# Altium PCB FMC_Breakout.PcbDoc (part 1 of 3) (continued)
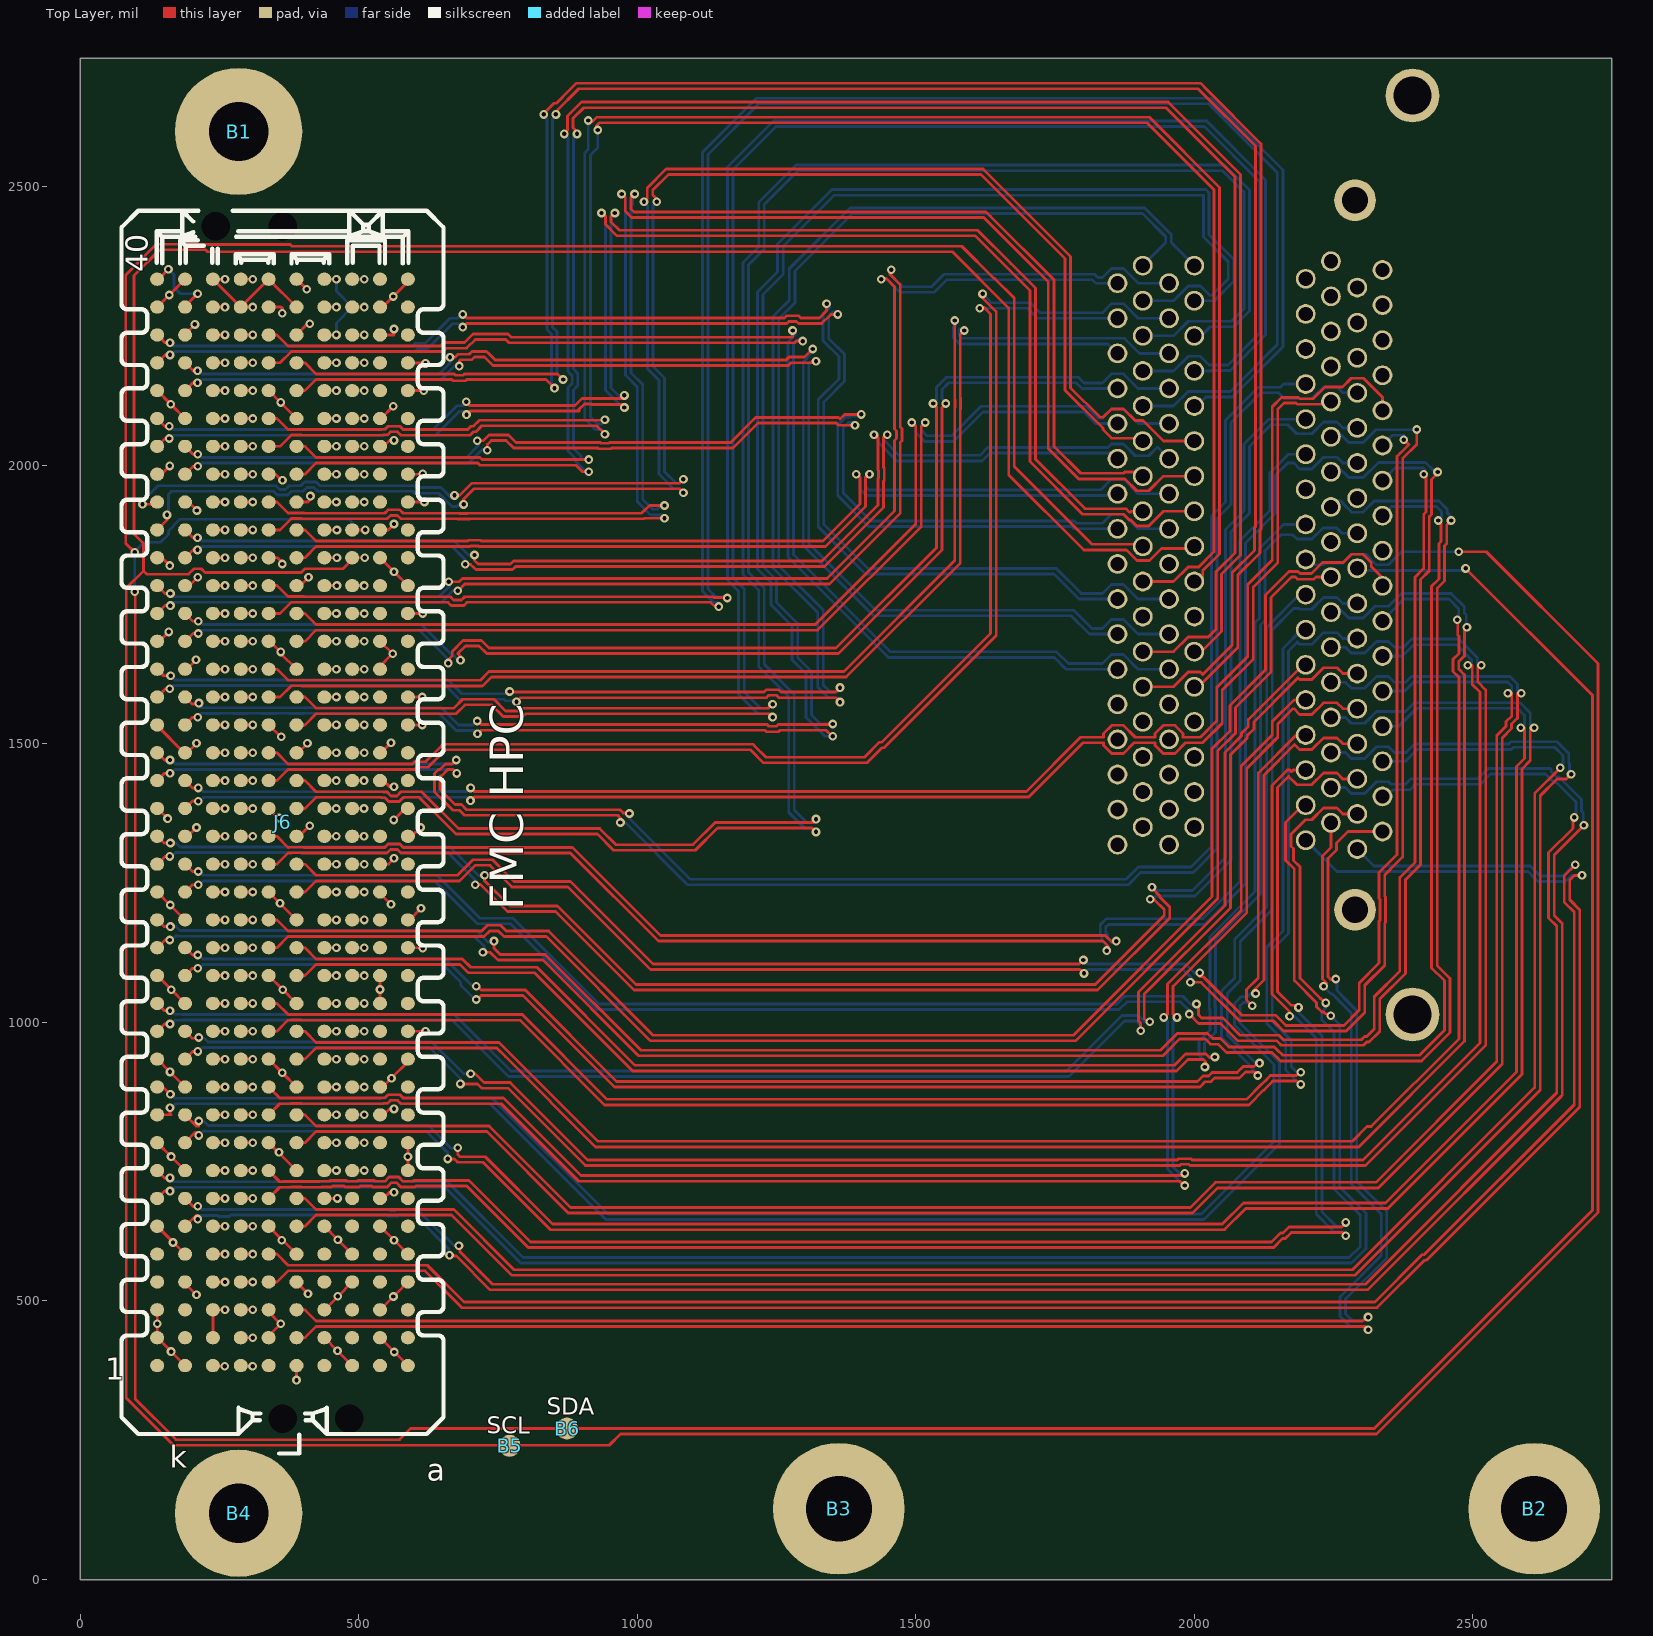
[diagram p0: Top Layer view]
## Footprints (in the part's own frame and the unit in brackets; to place one, negate y for a bottom-side part, rotate by r counter-clockwise, add the part's x,y. Pads: shape width x height; smd on the part's side, far side on the other; paste and mask are expansions set on the pad)
C100 [mm] "1mm Diameter SMD Pad"
  round 1 smd paste-1: 1(0,0)
MOLEX_74337-0015 [mm] "2x68 Positions, Pitch 0.8mm, Very Hight Density Right Angle Dual Stacked VHDCI Receptacle"
  round 1.9 hole 1.2: 69(-16.175,4.79) 71(16.175,4.79)
  round 2.45 hole 1.75: 70(-20.95,7.41) 72(20.95,7.41)
  round 0.9 hole 0.65: L1(-13.005,2.54) L2(-12.205,3.69) L3(-11.405,2.54) L4(-10.605,3.69) L5(-9.805,2.54) L6(-9.005,3.69) L7(-8.205,2.54) L8(-7.405,3.69) L9(-6.605,2.54) L10(-5.805,3.69) L11(-5.005,2.54) L12(-4.205,3.69) L13(-3.405,2.54) L14(-2.605,3.69) L15(-1.805,2.54) L16(-1.005,3.69) L17(-0.205,2.54) L18(0.595,3.69) L19(1.395,2.54) L20(2.195,3.69) L21(2.995,2.54) L22(3.795,3.69) L23(4.595,2.54) L24(5.395,3.69) L25(6.195,2.54) L26(6.995,3.69) L27(7.795,2.54) L28(8.595,3.69) L29(9.395,2.54) L30(10.195,3.69) L31(10.995,2.54) L32(11.795,3.69) L33(12.595,2.54) L34(13.395,3.69) L35(-13.405,4.89) L36(-12.605,6.04) L37(-11.805,4.89) L38(-11.005,6.04) L39(-10.205,4.89) L40(-9.405,6.04) L41(-8.605,4.89) L42(-7.805,6.04) L43(-7.005,4.89) L44(-6.205,6.04) L45(-5.405,4.89) L46(-4.605,6.04) L47(-3.805,4.89) L48(-3.005,6.04) L49(-2.205,4.89) L50(-1.405,6.04) L51(-0.605,4.89) L52(0.195,6.04) L53(0.995,4.89) L54(1.795,6.04) L55(2.595,4.89) L56(3.395,6.04) L57(4.195,4.89) L58(4.995,6.04) L59(5.795,4.89) L60(6.595,6.04) L61(7.395,4.89) L62(8.195,6.04) L63(8.995,4.89) L64(9.795,6.04) L65(10.595,4.89) L66(11.395,6.04) L67(12.195,4.89) L68(12.995,6.04) U1(13.195,-2.54) U2(12.395,-3.69) U3(11.595,-2.54) U4(10.795,-3.69) U5(9.995,-2.54) U6(9.195,-3.69) U7(8.395,-2.54) U8(7.595,-3.69) U9(6.795,-2.54) U10(5.995,-3.69) U11(5.195,-2.54) U12(4.395,-3.69) U13(3.595,-2.54) U14(2.795,-3.69) U15(1.995,-2.54) U16(1.195,-3.69) U17(0.395,-2.54) U18(-0.405,-3.69) U19(-1.205,-2.54) U20(-2.005,-3.69) U21(-2.805,-2.54) U22(-3.605,-3.69) U23(-4.405,-2.54) U24(-5.205,-3.69) U25(-6.005,-2.54) U26(-6.805,-3.69) U27(-7.605,-2.54) U28(-8.405,-3.69) U29(-9.205,-2.54) U30(-10.005,-3.69) U31(-10.805,-2.54) U32(-11.605,-3.69) U33(-12.405,-2.54) U34(-13.205,-3.69) U35(13.195,-4.89) U36(12.395,-6.04) U37(11.595,-4.89) U38(10.795,-6.04) U39(9.995,-4.89) U40(9.195,-6.04) U41(8.395,-4.89) U42(7.595,-6.04) U43(6.795,-4.89) U44(5.995,-6.04) U45(5.195,-4.89) U46(4.395,-6.04) U47(3.595,-4.89) U48(2.795,-6.04) U49(1.995,-4.89) U50(1.195,-6.04) U51(0.395,-4.89) U52(-0.405,-6.04) U53(-1.205,-4.89) U54(-2.005,-6.04) U55(-2.805,-4.89) U56(-3.605,-6.04) U57(-4.405,-4.89) U58(-5.205,-6.04) U59(-6.005,-4.89) U60(-6.805,-6.04) U61(-7.605,-4.89) U62(-8.405,-6.04) U63(-9.205,-4.89) U64(-10.005,-6.04) U65(-10.805,-4.89) U66(-11.605,-6.04) U67(-12.405,-4.89) U68(-13.205,-6.04)
  silkscreen extent -21.5,-6.89 21.5,16.5, body extent -21.5,-6.89 21.5,16.5, height 12.77
MTG300_600#1 [mm] "Plated Through Hole: Hole Dia.=3.0mm Pad Dia.=6.0mm"
  round 5.8 / inner round 3 / far side round 5.8 hole 2.7: 1(0,0)
MTG300_600#2 [mm] "Plated Through Hole: Hole Dia.=3.0mm Pad Dia.=6.0mm"
  round 6 hole 3: 1(0,0)
SAMTEC_ASP-134486-01 [mm] "Connector VITA 57, 400 Female contacts in 10 row abcdefghj"
  round 0.5 hole 1.3 unplated mask+0.4: 1(-27.19,0) 2(27.19,-3.05)
  oval 0.6x0.64 smd paste+0.125: a1(24.765,-5.715) a2(23.495,-5.715) a3(22.225,-5.715) a4(20.955,-5.715) a5(19.685,-5.715) a6(18.415,-5.715) a7(17.145,-5.715) a8(15.875,-5.715) a9(14.605,-5.715) a10(13.335,-5.715) a11(12.065,-5.715) a12(10.795,-5.715) a13(9.525,-5.715) a14(8.255,-5.715) a15(6.985,-5.715) a16(5.715,-5.715) a17(4.445,-5.715) a18(3.175,-5.715) a19(1.905,-5.715) a20(0.635,-5.715) a21(-0.635,-5.715) a22(-1.905,-5.715) a23(-3.175,-5.715) a24(-4.445,-5.715) a25(-5.715,-5.715) a26(-6.985,-5.715) a27(-8.255,-5.715) a28(-9.525,-5.715) a29(-10.795,-5.715) a30(-12.065,-5.715) a31(-13.335,-5.715) a32(-14.605,-5.715) a33(-15.875,-5.715) a34(-17.145,-5.715) a35(-18.415,-5.715) a36(-19.685,-5.715) a37(-20.955,-5.715) a38(-22.225,-5.715) a39(-23.495,-5.715) a40(-24.765,-5.715) b1(24.765,-4.445) b2(23.495,-4.445) b3(22.225,-4.445) b4(20.955,-4.445) b5(19.685,-4.445) b6(18.415,-4.445) b7(17.145,-4.445) b8(15.875,-4.445) b9(14.605,-4.445) b10(13.335,-4.445) b11(12.065,-4.445) b12(10.795,-4.445) b13(9.525,-4.445) b14(8.255,-4.445) b15(6.985,-4.445) b16(5.715,-4.445) b17(4.445,-4.445) b18(3.175,-4.445) b19(1.905,-4.445) b20(0.635,-4.445) b21(-0.635,-4.445) b22(-1.905,-4.445) b23(-3.175,-4.445) b24(-4.445,-4.445) b25(-5.715,-4.445) b26(-6.985,-4.445) b27(-8.255,-4.445) b28(-9.525,-4.445) b29(-10.795,-4.445) b30(-12.065,-4.445) b31(-13.335,-4.445) b32(-14.605,-4.445) b33(-15.875,-4.445) b34(-17.145,-4.445) b35(-18.415,-4.445) b36(-19.685,-4.445) b37(-20.955,-4.445) b38(-22.225,-4.445) b39(-23.495,-4.445) b40(-24.765,-4.445) c1(24.765,-3.175) c2(23.495,-3.175) c3(22.225,-3.175) c4(20.955,-3.175) c5(19.685,-3.175) c6(18.415,-3.175) c7(17.145,-3.175) c8(15.875,-3.175) c9(14.605,-3.175) c10(13.335,-3.175) c11(12.065,-3.175) c12(10.795,-3.175) c13(9.525,-3.175) c14(8.255,-3.175) c15(6.985,-3.175) c16(5.715,-3.175) c17(4.445,-3.175) c18(3.175,-3.175) c19(1.905,-3.175) c20(0.635,-3.175) c21(-0.635,-3.175) c22(-1.905,-3.175) c23(-3.175,-3.175) c24(-4.445,-3.175) c25(-5.715,-3.175) c26(-6.985,-3.175) c27(-8.255,-3.175) c28(-9.525,-3.175) c29(-10.795,-3.175) c30(-12.065,-3.175) c31(-13.335,-3.175) c32(-14.605,-3.175) c33(-15.875,-3.175) c34(-17.145,-3.175) c35(-18.415,-3.175) c36(-19.685,-3.175) c37(-20.955,-3.175) c38(-22.225,-3.175) c39(-23.495,-3.175) c40(-24.765,-3.175) d1(24.765,-1.905) d2(23.495,-1.905) d3(22.225,-1.905) d4(20.955,-1.905) d5(19.685,-1.905) d6(18.415,-1.905) d7(17.145,-1.905) d8(15.875,-1.905) d9(14.605,-1.905) d10(13.335,-1.905) d11(12.065,-1.905) d12(10.795,-1.905) d13(9.525,-1.905) d14(8.255,-1.905) d15(6.985,-1.905) d16(5.715,-1.905) d17(4.445,-1.905) d18(3.175,-1.905) d19(1.905,-1.905) d20(0.635,-1.905) d21(-0.635,-1.905) d22(-1.905,-1.905) d23(-3.175,-1.905) d24(-4.445,-1.905) d25(-5.715,-1.905) d26(-6.985,-1.905) d27(-8.255,-1.905) d28(-9.525,-1.905) d29(-10.795,-1.905) d30(-12.065,-1.905) d31(-13.335,-1.905) d32(-14.605,-1.905) d33(-15.875,-1.905) d34(-17.145,-1.905) d35(-18.415,-1.905) d36(-19.685,-1.905) d37(-20.955,-1.905) d38(-22.225,-1.905) d39(-23.495,-1.905) d40(-24.765,-1.905) e1(24.765,-0.635) e2(23.495,-0.635) e3(22.225,-0.635) e4(20.955,-0.635) e5(19.685,-0.635) e6(18.415,-0.635) e7(17.145,-0.635) e8(15.875,-0.635) e9(14.605,-0.635) e10(13.335,-0.635) e11(12.065,-0.635) e12(10.795,-0.635) e13(9.525,-0.635) e14(8.255,-0.635) e15(6.985,-0.635) e16(5.715,-0.635) e17(4.445,-0.635) e18(3.175,-0.635) e19(1.905,-0.635) e20(0.635,-0.635) e21(-0.635,-0.635) e22(-1.905,-0.635) e23(-3.175,-0.635) e24(-4.445,-0.635) e25(-5.715,-0.635) e26(-6.985,-0.635) e27(-8.255,-0.635) e28(-9.525,-0.635) e29(-10.795,-0.635) e30(-12.065,-0.635) e31(-13.335,-0.635) e32(-14.605,-0.635) e33(-15.875,-0.635) e34(-17.145,-0.635) e35(-18.415,-0.635) e36(-19.685,-0.635) e37(-20.955,-0.635) e38(-22.225,-0.635) e39(-23.495,-0.635) e40(-24.765,-0.635) f1(24.765,0.635) f2(23.495,0.635) f3(22.225,0.635) f4(20.955,0.635) f5(19.685,0.635) f6(18.415,0.635) f7(17.145,0.635) f8(15.875,0.635) f9(14.605,0.635) f10(13.335,0.635) f11(12.065,0.635) f12(10.795,0.635) f13(9.525,0.635) f14(8.255,0.635) f15(6.985,0.635) f16(5.715,0.635) f17(4.445,0.635) f18(3.175,0.635) f19(1.905,0.635) f20(0.635,0.635) f21(-0.635,0.635) f22(-1.905,0.635) f23(-3.175,0.635) f24(-4.445,0.635) f25(-5.715,0.635) f26(-6.985,0.635) f27(-8.255,0.635) f28(-9.525,0.635) f29(-10.795,0.635) f30(-12.065,0.635) f31(-13.335,0.635) f32(-14.605,0.635) f33(-15.875,0.635) f34(-17.145,0.635) f35(-18.415,0.635) f36(-19.685,0.635) f37(-20.955,0.635) f38(-22.225,0.635) f39(-23.495,0.635) f40(-24.765,0.635) g1(24.765,1.905) g2(23.495,1.905) g3(22.225,1.905) g4(20.955,1.905) g5(19.685,1.905) g6(18.415,1.905) g7(17.145,1.905) g8(15.875,1.905) g9(14.605,1.905) g10(13.335,1.905) g11(12.065,1.905) g12(10.795,1.905) g13(9.525,1.905) g14(8.255,1.905) g15(6.985,1.905) g16(5.715,1.905) g17(4.445,1.905) g18(3.175,1.905) g19(1.905,1.905) g20(0.635,1.905) g21(-0.635,1.905) g22(-1.905,1.905) g23(-3.175,1.905) g24(-4.445,1.905) g25(-5.715,1.905) g26(-6.985,1.905) g27(-8.255,1.905) g28(-9.525,1.905) g29(-10.795,1.905) g30(-12.065,1.905) g31(-13.335,1.905) g32(-14.605,1.905) g33(-15.875,1.905) g34(-17.145,1.905) g35(-18.415,1.905) g36(-19.685,1.905) g37(-20.955,1.905) g38(-22.225,1.905) g39(-23.495,1.905) g40(-24.765,1.905) h1(24.765,3.175) h2(23.495,3.175) h3(22.225,3.175) h4(20.955,3.175) h5(19.685,3.175) h6(18.415,3.175) h7(17.145,3.175) h8(15.875,3.175) h9(14.605,3.175) h10(13.335,3.175) h11(12.065,3.175) h12(10.795,3.175) h13(9.525,3.175) h14(8.255,3.175) h15(6.985,3.175) h16(5.715,3.175) h17(4.445,3.175) h18(3.175,3.175) h19(1.905,3.175) h20(0.635,3.175) h21(-0.635,3.175) h22(-1.905,3.175) h23(-3.175,3.175) h24(-4.445,3.175) h25(-5.715,3.175) h26(-6.985,3.175) h27(-8.255,3.175) h28(-9.525,3.175) h29(-10.795,3.175) h30(-12.065,3.175) h31(-13.335,3.175) h32(-14.605,3.175) h33(-15.875,3.175) h34(-17.145,3.175) h35(-18.415,3.175) h36(-19.685,3.175) h37(-20.955,3.175) h38(-22.225,3.175) h39(-23.495,3.175) h40(-24.765,3.175) j1(24.765,4.445) j2(23.495,4.445) j3(22.225,4.445) j4(20.955,4.445) j5(19.685,4.445) j6(18.415,4.445) j7(17.145,4.445) j8(15.875,4.445) j9(14.605,4.445) j10(13.335,4.445) j11(12.065,4.445) j12(10.795,4.445) j13(9.525,4.445) j14(8.255,4.445) j15(6.985,4.445) j16(5.715,4.445) j17(4.445,4.445) j18(3.175,4.445) j19(1.905,4.445) j20(0.635,4.445) j21(-0.635,4.445) j22(-1.905,4.445) j23(-3.175,4.445) j24(-4.445,4.445) j25(-5.715,4.445) j26(-6.985,4.445) j27(-8.255,4.445) j28(-9.525,4.445) j29(-10.795,4.445) j30(-12.065,4.445) j31(-13.335,4.445) j32(-14.605,4.445) j33(-15.875,4.445) j34(-17.145,4.445) j35(-18.415,4.445) j36(-19.685,4.445) j37(-20.955,4.445) j38(-22.225,4.445) j39(-23.495,4.445) j40(-24.765,4.445) k1(24.765,5.715) k2(23.495,5.715) k3(22.225,5.715) k4(20.955,5.715) k5(19.685,5.715) k6(18.415,5.715) k7(17.145,5.715) k8(15.875,5.715) k9(14.605,5.715) k10(13.335,5.715) k11(12.065,5.715) k12(10.795,5.715) k13(9.525,5.715) k14(8.255,5.715) k15(6.985,5.715) k16(5.715,5.715) k17(4.445,5.715) k18(3.175,5.715) k19(1.905,5.715) k20(0.635,5.715) k21(-0.635,5.715) k22(-1.905,5.715) k23(-3.175,5.715) k24(-4.445,5.715) k25(-5.715,5.715) k26(-6.985,5.715) k27(-8.255,5.715) k28(-9.525,5.715) k29(-10.795,5.715) k30(-12.065,5.715) k31(-13.335,5.715) k32(-14.605,5.715) k33(-15.875,5.715) k34(-17.145,5.715) k35(-18.415,5.715) k36(-19.685,5.715) k37(-20.955,5.715) k38(-22.225,5.715) k39(-23.495,5.715) k40(-24.765,5.715)
  silkscreen extent -28.73,-6.62 28.73,6.62, body extent -28.73,-6.62 28.73,6.62, height 6.55
SAMTEC_ASP-134488-01 [mm] "Connector VITA 57, 400 Male contacts in 10 row abcdefghj"
  round 1 hole 1.3 unplated mask+0.3: 1(-27.191,-3.048) 2(27.191,0)
  oval 0.6x0.64 smd: a1(24.765,5.715) a2(23.495,5.715) a3(22.225,5.715) a4(20.955,5.715) a5(19.685,5.715) a6(18.415,5.715) a7(17.145,5.715) a8(15.875,5.715) a9(14.605,5.715) a10(13.335,5.715) a11(12.065,5.715) a12(10.795,5.715) a13(9.525,5.715) a14(8.255,5.715) a15(6.985,5.715) a16(5.715,5.715) a17(4.445,5.715) a18(3.175,5.715) a19(1.905,5.715) a20(0.635,5.715) a21(-0.635,5.715) a22(-1.905,5.715) a23(-3.175,5.715) a24(-4.445,5.715) a25(-5.715,5.715) a26(-6.985,5.715) a27(-8.255,5.715) a28(-9.525,5.715) a29(-10.795,5.715) a30(-12.065,5.715) a31(-13.335,5.715) a32(-14.605,5.715) a33(-15.875,5.715) a34(-17.145,5.715) a35(-18.415,5.715) a36(-19.685,5.715) a37(-20.955,5.715) a38(-22.225,5.715) a39(-23.495,5.715) a40(-24.765,5.715) b1(24.765,4.445) b2(23.495,4.445) b3(22.225,4.445) b4(20.955,4.445) b5(19.685,4.445) b6(18.415,4.445) b7(17.145,4.445) b8(15.875,4.445) b9(14.605,4.445) b10(13.335,4.445) b11(12.065,4.445) b12(10.795,4.445) b13(9.525,4.445) b14(8.255,4.445) b15(6.985,4.445) b16(5.715,4.445) b17(4.445,4.445) b18(3.175,4.445) b19(1.905,4.445) b20(0.635,4.445) b21(-0.635,4.445) b22(-1.905,4.445) b23(-3.175,4.445) b24(-4.445,4.445) b25(-5.715,4.445) b26(-6.985,4.445) b27(-8.255,4.445) b28(-9.525,4.445) b29(-10.795,4.445) b30(-12.065,4.445) b31(-13.335,4.445) b32(-14.605,4.445) b33(-15.875,4.445) b34(-17.145,4.445) b35(-18.415,4.445) b36(-19.685,4.445) b37(-20.955,4.445) b38(-22.225,4.445) b39(-23.495,4.445) b40(-24.765,4.445) c1(24.765,3.175) c2(23.495,3.175) c3(22.225,3.175) c4(20.955,3.175) c5(19.685,3.175) c6(18.415,3.175) c7(17.145,3.175) c8(15.875,3.175) c9(14.605,3.175) c10(13.335,3.175) c11(12.065,3.175) c12(10.795,3.175) c13(9.525,3.175) c14(8.255,3.175) c15(6.985,3.175) c16(5.715,3.175) c17(4.445,3.175) c18(3.175,3.175) c19(1.905,3.175) c20(0.635,3.175) c21(-0.635,3.175) c22(-1.905,3.175) c23(-3.175,3.175) c24(-4.445,3.175) c25(-5.715,3.175) c26(-6.985,3.175) c27(-8.255,3.175) c28(-9.525,3.175) c29(-10.795,3.175) c30(-12.065,3.175) c31(-13.335,3.175) c32(-14.605,3.175) c33(-15.875,3.175) c34(-17.145,3.175) c35(-18.415,3.175) c36(-19.685,3.175) c37(-20.955,3.175) c38(-22.225,3.175) c39(-23.495,3.175) c40(-24.765,3.175) d1(24.765,1.905) d2(23.495,1.905) d3(22.225,1.905) d4(20.955,1.905) d5(19.685,1.905) d6(18.415,1.905) d7(17.145,1.905) d8(15.875,1.905) d9(14.605,1.905) d10(13.335,1.905) d11(12.065,1.905) d12(10.795,1.905) d13(9.525,1.905) d14(8.255,1.905) d15(6.985,1.905) d16(5.715,1.905) d17(4.445,1.905) d18(3.175,1.905) d19(1.905,1.905) d20(0.635,1.905) d21(-0.635,1.905) d22(-1.905,1.905) d23(-3.175,1.905) d24(-4.445,1.905) d25(-5.715,1.905) d26(-6.985,1.905) d27(-8.255,1.905) d28(-9.525,1.905) d29(-10.795,1.905) d30(-12.065,1.905) d31(-13.335,1.905) d32(-14.605,1.905) d33(-15.875,1.905) d34(-17.145,1.905) d35(-18.415,1.905) d36(-19.685,1.905) d37(-20.955,1.905) d38(-22.225,1.905) d39(-23.495,1.905) d40(-24.765,1.905) e1(24.765,0.635) e2(23.495,0.635) e3(22.225,0.635) e4(20.955,0.635) e5(19.685,0.635) e6(18.415,0.635) e7(17.145,0.635) e8(15.875,0.635) e9(14.605,0.635) e10(13.335,0.635) e11(12.065,0.635) e12(10.795,0.635) e13(9.525,0.635) e14(8.255,0.635) e15(6.985,0.635) e16(5.715,0.635) e17(4.445,0.635) e18(3.175,0.635) e19(1.905,0.635) e20(0.635,0.635) e21(-0.635,0.635) e22(-1.905,0.635) e23(-3.175,0.635) e24(-4.445,0.635) e25(-5.715,0.635) e26(-6.985,0.635) e27(-8.255,0.635) e28(-9.525,0.635) e29(-10.795,0.635) e30(-12.065,0.635) e31(-13.335,0.635) e32(-14.605,0.635) e33(-15.875,0.635) e34(-17.145,0.635) e35(-18.415,0.635) e36(-19.685,0.635) e37(-20.955,0.635) e38(-22.225,0.635) e39(-23.495,0.635) e40(-24.765,0.635) f1(24.765,-0.635) f2(23.495,-0.635) f3(22.225,-0.635) f4(20.955,-0.635) f5(19.685,-0.635) f6(18.415,-0.635) f7(17.145,-0.635) f8(15.875,-0.635) f9(14.605,-0.635) f10(13.335,-0.635) f11(12.065,-0.635) f12(10.795,-0.635) f13(9.525,-0.635) f14(8.255,-0.635) f15(6.985,-0.635) f16(5.715,-0.635) f17(4.445,-0.635) f18(3.175,-0.635) f19(1.905,-0.635) f20(0.635,-0.635) f21(-0.635,-0.635) f22(-1.905,-0.635) f23(-3.175,-0.635) f24(-4.445,-0.635) f25(-5.715,-0.635) f26(-6.985,-0.635) f27(-8.255,-0.635) f28(-9.525,-0.635) f29(-10.795,-0.635) f30(-12.065,-0.635) f31(-13.335,-0.635) f32(-14.605,-0.635) f33(-15.875,-0.635) f34(-17.145,-0.635) f35(-18.415,-0.635) f36(-19.685,-0.635) f37(-20.955,-0.635) f38(-22.225,-0.635) f39(-23.495,-0.635) f40(-24.765,-0.635) g1(24.765,-1.905) g2(23.495,-1.905) g3(22.225,-1.905) g4(20.955,-1.905) g5(19.685,-1.905) g6(18.415,-1.905) g7(17.145,-1.905) g8(15.875,-1.905) g9(14.605,-1.905) g10(13.335,-1.905) g11(12.065,-1.905) g12(10.795,-1.905) g13(9.525,-1.905) g14(8.255,-1.905) g15(6.985,-1.905) g16(5.715,-1.905) g17(4.445,-1.905) g18(3.175,-1.905) g19(1.905,-1.905) g20(0.635,-1.905) g21(-0.635,-1.905) g22(-1.905,-1.905) g23(-3.175,-1.905) g24(-4.445,-1.905) g25(-5.715,-1.905) g26(-6.985,-1.905) g27(-8.255,-1.905) g28(-9.525,-1.905) g29(-10.795,-1.905) g30(-12.065,-1.905) g31(-13.335,-1.905) g32(-14.605,-1.905) g33(-15.875,-1.905) g34(-17.145,-1.905) g35(-18.415,-1.905) g36(-19.685,-1.905) g37(-20.955,-1.905) g38(-22.225,-1.905) g39(-23.495,-1.905) g40(-24.765,-1.905) h1(24.765,-3.175) h2(23.495,-3.175) h3(22.225,-3.175) h4(20.955,-3.175) h5(19.685,-3.175) h6(18.415,-3.175) h7(17.145,-3.175) h8(15.875,-3.175) h9(14.605,-3.175) h10(13.335,-3.175) h11(12.065,-3.175) h12(10.795,-3.175) h13(9.525,-3.175) h14(8.255,-3.175) h15(6.985,-3.175) h16(5.715,-3.175) h17(4.445,-3.175) h18(3.175,-3.175) h19(1.905,-3.175) h20(0.635,-3.175) h21(-0.635,-3.175) h22(-1.905,-3.175) h23(-3.175,-3.175) h24(-4.445,-3.175) h25(-5.715,-3.175) h26(-6.985,-3.175) h27(-8.255,-3.175) h28(-9.525,-3.175) h29(-10.795,-3.175) h30(-12.065,-3.175) h31(-13.335,-3.175) h32(-14.605,-3.175) h33(-15.875,-3.175) h34(-17.145,-3.175) h35(-18.415,-3.175) h36(-19.685,-3.175) h37(-20.955,-3.175) h38(-22.225,-3.175) h39(-23.495,-3.175) h40(-24.765,-3.175) j1(24.765,-4.445) j2(23.495,-4.445) j3(22.225,-4.445) j4(20.955,-4.445) j5(19.685,-4.445) j6(18.415,-4.445) j7(17.145,-4.445) j8(15.875,-4.445) j9(14.605,-4.445) j10(13.335,-4.445) j11(12.065,-4.445) j12(10.795,-4.445) j13(9.525,-4.445) j14(8.255,-4.445) j15(6.985,-4.445) j16(5.715,-4.445) j17(4.445,-4.445) j18(3.175,-4.445) j19(1.905,-4.445) j20(0.635,-4.445) j21(-0.635,-4.445) j22(-1.905,-4.445) j23(-3.175,-4.445) j24(-4.445,-4.445) j25(-5.715,-4.445) j26(-6.985,-4.445) j27(-8.255,-4.445) j28(-9.525,-4.445) j29(-10.795,-4.445) j30(-12.065,-4.445) j31(-13.335,-4.445) j32(-14.605,-4.445) j33(-15.875,-4.445) j34(-17.145,-4.445) j35(-18.415,-4.445) j36(-19.685,-4.445) j37(-20.955,-4.445) j38(-22.225,-4.445) j39(-23.495,-4.445) j40(-24.765,-4.445) k1(24.765,-5.715) k2(23.495,-5.715) k3(22.225,-5.715) k4(20.955,-5.715) k5(19.685,-5.715) k6(18.415,-5.715) k7(17.145,-5.715) k8(15.875,-5.715) k9(14.605,-5.715) k10(13.335,-5.715) k11(12.065,-5.715) k12(10.795,-5.715) k13(9.525,-5.715) k14(8.255,-5.715) k15(6.985,-5.715) k16(5.715,-5.715) k17(4.445,-5.715) k18(3.175,-5.715) k19(1.905,-5.715) k20(0.635,-5.715) k21(-0.635,-5.715) k22(-1.905,-5.715) k23(-3.175,-5.715) k24(-4.445,-5.715) k25(-5.715,-5.715) k26(-6.985,-5.715) k27(-8.255,-5.715) k28(-9.525,-5.715) k29(-10.795,-5.715) k30(-12.065,-5.715) k31(-13.335,-5.715) k32(-14.605,-5.715) k33(-15.875,-5.715) k34(-17.145,-5.715) k35(-18.415,-5.715) k36(-19.685,-5.715) k37(-20.955,-5.715) k38(-22.225,-5.715) k39(-23.495,-5.715) k40(-24.765,-5.715)
  silkscreen extent -27.89,-7.34 28.78,7.34, body extent -27.89,-7.34 28.78,7.34, height 5.61

## Part data
B1 B2 B3 B4: library part PLATED_HOLE3.0_PAD6.0, "Single Terminal Socket", Author="CERN DEM JLC", ComponentHeight=0mm, Component Type="Standard (No BOM)", CreateDate=26.05.2008, Family="Plated Hole", LatestRevisionDate=26.05.2008, Mounted=No, PackageDescription="Plated Through Hole: Hole Dia.=3.0mm Pad Dia.=6.0mm", Part Description="Plated Through Hole: Hole Dia.=3.0mm Pad Dia.=6.0mm", Part Number=PLATED_HOLE3.0_PAD6.0, Pin Count=1, SMD=No, Socket=No, Status=None, Table=Pads
B5 B6: library part SMD_PAD_D1MM, "Through Hole Pad", Author="CERN DEM JLC", ComponentHeight=0mm, Component Type="Standard (No BOM)", CreateDate=10.10.2017, Family="SMD Pad", HelpURL=Undefined, LatestRevisionDate=10.10.2017, Mounted=No, PackageDescription="1mm Diameter SMD Pad", Part Description="1mm Diameter SMD Pad", Part Number=SMD_PAD_D1MM, Pin Count=1, Sense=No, SMD=No, Socket=No, Status=None
J1: library part SAMTEC_ASP-134486-01, "Connector VITA 57, 400 Female contacts in 10 row abcdefghj", Manufacturer=SAMTEC, Manufacturer Part Number=ASP-134486-01, Author="CERN DEM JLC", ComponentHeight=6.55mm, Component Type=Standard, CreateDate=30.04.2009, Family="VITA 57", HelpURL=\\cern.ch\dfs\Applications\Altium\Datasheets\SAMTEC_ASP-134486-01.pdf, LatestRevisionDate=17.08.2009, Mounted=Yes, Part Description="400 contacts (10 rows abcdefghj) Surface Mount Female Connector, VITA 57 (CC-HPC-10)", Part Number=SAMTEC_ASP-134486-01, Pin Count=400, PressFit=No, Sense=No, SMD=Yes, Socket=No, Status=None
J2: library part MOLEX_74337-0015, "Very High Density Cable Interconnect (VHDCI ) 2x68 Female", Manufacturer=MOLEX, Manufacturer Part Number="Delivered by GK", Author="CERN DEM JLC", ComponentHeight=10.78mm, Component Type=Standard, CreateDate=30.04.2014, Family=VHDCI, HelpURL=\\cern.ch\dfs\Applications\Altium\Datasheets\MOLEX_74337-0015.pdf, LatestRevisionDate=30.04.2014, Mounted=Yes, Part Description="2x68 Positions, Pitch 0.8mm, Very Hight Density Right Angle Dual Stacked VHDCI Receptacle", Part Number="Delivered by GK", Pin Count=140, PressFit=No, Sense=No, SMD=No, Socket=No, Status=None
J6: library part SAMTEC_ASP-134488-01, "Connector VITA 57, 400 Male contacts in 10 row abcdefghj", Manufacturer=SAMTEC, Manufacturer Part Number=ASP-134488-01, Author="CERN DEM JLC", ComponentHeight=6.1mm, Component Type=Standard, CreateDate=30/04/2009, Family="VITA 57", HelpURL=\\cern.ch\dfs\Applications\Altium\Datasheets\SAMTEC_ASP-134488-01.pdf, LatestRevisionDate=17/08/2009, Mounted=Yes, Part Description="400 contacts (10 rows abcdefghj) Surface Mount Male Connector, VITA 57 (MC-HPC-10)", Part Number=SAMTEC_ASP-134488-01, Pin Count=400, SMD=Yes, Socket=No, Status=None, Table=SAMTEC

## Via types
v1: diameter 15.75, hole 7.87, Top Layer to Bottom Layer, tented both sides, 419 vias

## Nets (pads, with @x,y where several pads share a name; then routed paths per layer and width w, separated by ;. In a path a pad name is that pad's centre, name@x,y a point inside that pad or via, vN(x,y) a via of type N, cw(c..) or ccw(c..) an arc to the next point about the centre after c; other vN are vias at no path point)
3P3VAUX: J1.d32 J6.d32 | length 42.1
  Top Layer w5: J6.d32@438.38,1934.11 v1@458.89,1934.11
  Bottom Layer w5: J1.d32@438.38,1934.1 v1(460,1934.11)
CLK0_M2C_N: J1.h5 J6.h5 | length 42.1
  Top Layer w5: J6.h5@238.38,584.11 v1@258.89,584.1
  Bottom Layer w5: J1.h5@238.38,584.1 v1(260,584.1)
CLK0_M2C_P: J1.h4 J6.h4 | length 42.1
  Top Layer w5: J6.h4@238.38,534.11 v1@258.89,534.11
  Bottom Layer w5: J1.h4@238.38,534.1 v1(260,534.11)
CLK1_M2C_N: J1.g3 J6.g3 | length 42.1
  Top Layer w5: J6.g3@288.38,484.11 v1@308.89,484.1
  Bottom Layer w5: J1.g3@288.38,484.1 v1(310,484.1)
CLK1_M2C_P: J1.g2 J6.g2 | length 42.1
  Top Layer w5: J6.g2@288.38,434.11 v1@308.89,434.11
  Bottom Layer w5: J1.g2@288.38,434.1 v1(310,434.11)
CLK2_BIDIR_N: J6.k5
CLK2_BIDIR_P: J6.k4
CLK3_BIDIR_N: J6.j3
CLK3_BIDIR_P: J6.j2
CLK_DIR: J6.b1
GA0: J1.c34 J6.c34 | length 42.1
  Top Layer w5: J6.c34@488.38,2034.11 v1@508.89,2034.11
  Bottom Layer w5: J1.c34@488.38,2034.1 v1(510,2034.11)
GA1: J1.d35 J6.d35 | length 42.1
  Top Layer w5: J6.d35@438.38,2084.11 v1@458.89,2084.11
  Bottom Layer w5: J1.d35@438.38,2084.1 v1(460,2084.11)
GND: B1.1 B2.1 B3.1 B4.1 J1.c1 J1.c4 J1.c5 J1.c8 J1.c9 J1.c12 J1.c13 J1.c16 J1.c17 J1.c20 J1.c21 J1.c24 J1.c25 J1.c28 J1.c29 J1.c32 J1.c33 J1.c36 J1.c38 J1.c40 J1.d2 J1.d3 J1.d6 J1.d7 J1.d10 J1.d13 J1.d16 J1.d19 J1.d22 J1.d25 J1.d28 J1.d37 J1.d39 J1.g1 J1.g4 J1.g5 J1.g8 J1.g11 J1.g14 J1.g17 J1.g20 J1.g23 J1.g26 J1.g29 J1.g32 J1.g35 J1.g38 J1.g40 J1.h3 J1.h6 J1.h9 J1.h12 J1.h15 J1.h18 J1.h21 J1.h24 J1.h27 J1.h30 J1.h33 J1.h36 J1.h39 J2.69 J2.71 J2.L18 J2.L28 J2.L29 J2.L30 J2.L31 J2.L32 J2.L33 J2.L34 J2.L62 J2.L63 J2.L64 J2.L65 J2.L66 J2.L67 J2.L68 J2.U18 J2.U28 J2.U29 J2.U30 J2.U31 J2.U32 J2.U33 J2.U34 J2.U62 J2.U63 J2.U64 J2.U65 J2.U66 J2.U67 J2.U68 J6.a1 J6.a4 J6.a5 J6.a8 J6.a9 J6.a12 J6.a13 J6.a16 J6.a17 J6.a20 J6.a21 J6.a24 J6.a25 J6.a28 J6.a29 J6.a32 J6.a33 J6.a36 J6.a37 J6.a40 J6.b2 J6.b3 J6.b6 J6.b7 J6.b10 J6.b11 J6.b14 J6.b15 J6.b18 J6.b19 J6.b22 J6.b23 J6.b26 J6.b27 J6.b30 J6.b31 J6.b34 J6.b35 J6.b38 J6.b39 J6.c1 J6.c4 J6.c5 J6.c8 J6.c9 J6.c12 J6.c13 J6.c16 J6.c17 J6.c20 J6.c21 J6.c24 J6.c25 J6.c28 J6.c29 J6.c32 J6.c33 J6.c36 J6.c38 J6.c40 J6.d2 J6.d3 J6.d6 J6.d7 J6.d10 J6.d13 J6.d16 J6.d19 J6.d22 J6.d25 J6.d28 J6.d37 J6.d39 J6.e1 J6.e4 J6.e5 J6.e8 J6.e11 J6.e14 J6.e17 J6.e20 J6.e23 J6.e26 J6.e29 J6.e32 J6.e35 J6.e38 J6.e40 J6.f2 J6.f3 J6.f6 J6.f9 J6.f12 J6.f15 J6.f18 J6.f21 J6.f24 J6.f27 J6.f30 J6.f33 J6.f36 J6.f39 J6.g1 J6.g4 J6.g5 J6.g8 J6.g11 J6.g14 J6.g17 J6.g20 J6.g23 J6.g26 J6.g29 J6.g32 J6.g35 J6.g38 J6.g40 J6.h2 J6.h3 J6.h6 J6.h9 J6.h12 J6.h15 J6.h18 J6.h21 J6.h24 J6.h27 J6.h30 J6.h33 J6.h36 J6.h39 J6.j1 J6.j4 J6.j5 J6.j8 J6.j11 J6.j14 J6.j17 J6.j20 J6.j23 J6.j26 J6.j29 J6.j32 J6.j35 J6.j38 J6.j40 J6.k2 J6.k3 J6.k6 J6.k9 J6.k12 J6.k15 J6.k18 J6.k21 J6.k24 J6.k27 J6.k30 J6.k33 J6.k36 J6.k39 | length 5999.4
  Top Layer w5: J6.k3@138.38,484.11 v1(138.38,459) J6.k2@138.38,434.11 J6.j1@188.38,384.11 ; J6.k6@138.38,634.11 J6.j5@188.38,584.11 ; J6.k9@138.38,784.11 v1(163.38,759.11) J6.j8@188.38,734.11 ; J6.k12@138.38,934.11 v1(161.24,911.24) J6.j11@188.38,884.11 ; J6.k15@138.38,1084.11 v1(163.69,1058.8) J6.j14@188.38,1034.11 ; J6.k18@138.38,1234.11 v1(161.61,1210.87) J6.j17@188.38,1184.11 ; J6.k21@138.38,1384.11 138.81,1384.11 v1(157,1365.92) ; J6.k24@138.38,1534.11 138.38,1532.51 186.78,1484.11 J6.j23@188.38,1484.11 192,1484.11 208.9,1501 v1(209,1501) ; J6.k27@138.38,1684.11 142.11,1684.11 v1(159,1701) ; J6.k30@138.38,1834.11 146.78,1834.11 v1(160.89,1820) ; J6.k33@138.38,1984.11 146,1984.11 160.89,1999 v1(161,1999) ; J6.k36@138.38,2134.11 v1(162.74,2109.74) J6.j35@188.38,2084.11 ; J6.k39@138.38,2284.11 v1(160,2305.73) J6.j40@188.38,2334.11 ; J6.j4@188.38,534.11 188.38,531.52 v1(208.89,511) ; J6.j20@188.38,1334.11 193,1334.11 208.9,1350 v1(209,1350) ; J6.j26@188.38,1634.11 191.36,1634.11 208,1650.75 v1(208,1651) ; J6.j29@188.38,1784.11 196.11,1784.11 v1(211,1799) ; J6.j32@188.38,1934.11 194.51,1934.11 v1(209.62,1919) ; J6.j38@188.38,2234.11 188.38,2235.38 v1(206,2253) ; J6.h2@238.38,434.11 J6.h3@238.38,484.11 v1@258.89,484.1 ; J6.h6@238.38,634.11 v1@258.89,634.11 ; J6.h9@238.38,784.11 v1@258.89,784.11 ; J6.h12@238.38,934.11 v1@258.89,934.11 ; J6.h15@238.38,1084.11 v1@258.89,1084.11 ; J6.h18@238.38,1234.11 v1@258.89,1234.11 ; J6.h21@238.38,1384.11 v1@258.89,1384.11 ; J6.h24@238.38,1534.11 v1@258.89,1534.11 ; J6.h27@238.38,1684.11 v1@258.89,1684.11 ; J6.h30@238.38,1834.11 v1@258.89,1834.11 ; J6.h33@238.38,1984.11 v1@258.89,1984.11 ; J6.h36@238.38,2134.11 v1@258.89,2134.11 ; J6.h39@238.38,2284.11 v1@258.89,2284.11 ; J6.g1@288,383 v1@308.51,383 ; J6.g4@288.38,534.11 v1@308.89,534.11 ; J6.g5@288.38,584.11 v1@308.89,584.1 ; J6.g8@288.38,734.11 v1@308.89,734.11 ; J6.g11@288.38,884.11 v1@308.89,884.11 ; J6.g14@288.38,1034.11 v1@308.89,1034.11 ; J6.g17@288.38,1184.11 v1@308.89,1184.11 ; J6.g20@288.38,1334.11 v1@308.89,1334.11 ; J6.g23@288.38,1484.11 v1@308.89,1484.11 ; J6.g26@288.38,1634.11 v1@308.89,1634.11 ; J6.g29@288.38,1784.11 v1@308.89,1784.11 ; J6.g32@288.38,1934.11 v1@308.89,1934.11 ; J6.g35@288.38,2084.11 v1@308.89,2084.11 ; J6.g38@288.38,2234.11 v1@308.89,2234.11 ; J6.g40@288.38,2334.11 v1@308.89,2334.11 ; J6.f2@338.38,434.11 338.38,437.38 v1(360,459) 338.38,480.62 J6.f3@338.38,484.11 ; J6.f6@338.38,634.11 J6.e5@388.38,584.11 ; J6.f9@338.38,784.11 355.49,767 v1(357,767) 357,765.49 J6.e8@388.38,734.11 ; J6.f12@338.38,934.11 v1(362.74,909.74) J6.e11@388.38,884.11 ; J6.f15@338.38,1084.11 v1(363.69,1058.8) J6.e14@388.38,1034.11 ; J6.f18@338.38,1234.11 J6.e17@388.38,1184.11 ; J6.f21@338.38,1384.11 355.49,1367 v1(357,1367) ; J6.f24@338.38,1534.11 359.49,1513 v1(361,1513) ; J6.f27@338.38,1684.11 340.96,1684.11 v1(360,1665.07) 360,1662.49 J6.e26@388.38,1634.11 ; J6.f30@338.38,1834.11 354.41,1834.11 363,1825.52 v1(363,1823) ; J6.f33@338.38,1984.11 350.5,1984.11 361.52,1973.09 v1(363.38,1973.09) ; J6.f36@338.38,2134.11 338.89,2134.11 v1(360,2113) 360,2112.49 J6.e35@388.38,2084.11 ; v1(388.38,358) J6.e1@388.38,384.11 ; J6.e4@388.38,534.11 388.38,533.62 v1(409,513) ; J6.e20@388.38,1334.11 393.11,1334.11 v1(412,1353) ; J6.e23@388.38,1484.11 391.11,1484.11 v1(408,1501) ; J6.e29@388.38,1784.11 395.11,1784.11 v1(410,1799) ; J6.e32@388.38,1934.11 408.52,1934.11 413.38,1938.96 v1(413.38,1944.81) ; J6.d22@438,1434.11 v1@458.51,1434.11 ; J6.d2@438.38,434.11 v1(462,410.49) J6.c1@488.38,384.11 ; J6.d3@438.38,484.11 v1(462.58,508.31) J6.c4@488.38,534.11 ; J6.d6@438.38,634.11 v1(462.74,609.74) J6.c5@488.38,584.11 ; J6.d7@438.38,684.11 v1(461.9,684.1) ; J6.d10@438.38,834.11 v1@458.89,834.11 ; J6.d13@438.38,984.11 v1@458.89,984.11 ; J6.d16@438.38,1134.11 v1@458.89,1134.11 ; J6.d19@438.38,1284.11 v1@458.89,1284.11 ; J6.d25@438.38,1584.11 v1@458.89,1584.11 ; J6.d28@438.38,1734.11 v1@458.89,1734.11 ; J6.d37@438.38,2184.11 v1@458.89,2184.11 ; J6.d39@438.38,2284.11 v1@458.89,2284.11 ; J6.c20@488,1334.11 v1@508.51,1334.11 ; J6.c21@488,1384.11 v1@508.51,1384.11 ; J6.c8@488.38,734.11 v1@508.89,734.11 ; J6.c9@488.38,784.11 v1@508.89,784.11 ; J6.c12@488.38,934.11 v1@508.89,934.11 ; J6.c13@488.38,984.11 v1@508.89,984.11 ; J6.c16@488.38,1134.11 v1@508.89,1134.11 ; J6.c17@488.38,1184.11 v1@508.89,1184.11 ; J6.c24@488.38,1534.11 v1@508.89,1534.11 ; J6.c25@488.38,1584.11 v1@508.89,1584.11 ; J6.c28@488.38,1734.11 v1@508.89,1734.11 ; J6.c29@488.38,1784.11 v1(509.74,1784.11) ; J6.c32@488.38,1934.11 v1@508.89,1934.11 ; J6.c33@488.38,1984.11 v1@508.89,1984.11 ; J6.c36@488.38,2134.11 v1@508.89,2134.11 ; J6.c38@488.38,2234.11 v1@508.89,2234.11 ; J6.c40@488.38,2334.11 v1@508.89,2334.11 ; J6.b2@538.38,434.11 v1(564,408.49) J6.a1@588.38,384.11 ; J6.b3@538.38,484.11 v1(562.33,508.06) J6.a4@588.38,534.11 ; J6.b6@538.38,634.11 v1(563.38,609.11) J6.a5@588.38,584.11 ; J6.b7@538.38,684.11 544.76,684.11 555.77,695.12 v1(563.38,695.12) ; J6.b10@538.38,834.11 544.76,834.11 555.46,844.81 v1(563.38,844.81) ; J6.b11@538.38,884.11 543.11,884.11 v1(559,900) 588.38,929.38 J6.a12@588.38,934.11 ; J6.b14@538.38,1034.11 v1(538.38,1059.11) J6.b15@538.38,1084.11 ; J6.b18@538.38,1234.11 538.38,1231.72 v1(558.1,1212) ; J6.b19@538.38,1284.11 553.6,1284.11 563.38,1293.89 v1(563.38,1294.81) ; J6.b22@538.38,1434.11 544.76,1434.11 555.87,1423 563.29,1423 v1(563.38,1423.09) ; J6.b23@538.38,1484.11 540.11,1484.11 v1(558,1502) ; J6.b26@538.38,1634.11 538.38,1639.38 v1(561,1662) 560.49,1662 J6.b27@538.38,1684.11 ; J6.b30@538.38,1834.11 v1@563.49,1809 ; J6.b31@538.38,1884.11 553.11,1884.11 563.38,1894.38 v1(563.38,1894.81) ; J6.b34@538.38,2034.11 544.76,2034.11 555.46,2044.81 v1(563.38,2044.81) ; J6.b35@538.38,2084.11 540.11,2084.11 v1(562,2106) ; v1(563,1363.49) 583.62,1384.11 J6.a21@588.38,1384.11 ; v1(563.38,1809) v1@563.49,1809 ; J6.a8@588.38,734.11 v1(588.38,758.96) J6.a9@588.38,784.11 ; J6.a13@588.38,984.11 619.89,984.11 v1(620,984) ; J6.a16@588.38,1134.11 613.96,1134.11 v1(615,1133.07) ; J6.a17@588.38,1184.11 591.11,1184.11 v1(612,1205) ; J6.a20@588.38,1334.11 595.11,1334.11 v1(611,1350) ; J6.a24@588.38,1534.11 613.89,1534.11 v1(614,1534) ; J6.a25@588.38,1584.11 613.89,1584.11 v1(614,1584) ; J6.a28@588.38,1734.11 v1(615,1734.1) ; J6.a29@588.38,1784.11 v1@563.49,1809 ; J6.a32@588.38,1934.11 v1(618,1934.11) ; J6.a33@588.38,1984.11 614.11,1984.11 v1(615,1985)
  Top Layer w5.3: J6.f39@338.38,2284.11 361,2284.11 363,2282.11 v1(363,2273) ; J6.e38@388.38,2234.11 408.27,2254 v1(412,2254) ; J6.e40@388.38,2334.11 388.89,2334.11 v1(407,2316) ; J6.b38@538.38,2234.11 563,2234.11 563.38,2234.49 v1(563.38,2244.81) ; J6.b39@538.38,2284.11 543.11,2284.11 v1(562,2303) 588.38,2329.38 J6.a40@588.38,2334.11 ; J6.a36@588.38,2134.11 v1(617,2134.11) ; J6.a37@588.38,2184.11 618.89,2184.11 v1(620,2183)
  Bottom Layer w5: J1.h3@238.38,484.1 v1(260,484.1) ; J1.h6@238.38,634.1 v1(260,634.11) ; J1.h9@238.38,784.1 v1(260,784.11) ; J1.h12@238.38,934.1 v1(260,934.11) ; J1.h15@238.38,1084.1 v1(260,1084.11) ; J1.h18@238.38,1234.1 v1(260,1234.11) ; J1.h21@238.38,1384.1 v1(260,1384.11) ; J1.h24@238.38,1534.1 v1(260,1534.11) ; J1.h27@238.38,1684.1 v1(260,1684.11) ; J1.h30@238.38,1834.1 v1(260,1834.11) ; J1.h33@238.38,1984.1 v1(260,1984.11) ; J1.h36@238.38,2134.1 v1(260,2134.11) ; J1.h39@238.38,2284.1 v1(260,2284.11) ; J1.g1@288,383 v1@309.62,383 ; J1.g4@288.38,534.1 v1(310,534.11) ; J1.g5@288.38,584.1 v1(310,584.1) ; J1.g8@288.38,734.1 v1(310,734.11) ; J1.g11@288.38,884.1 v1(310,884.11) ; J1.g14@288.38,1034.1 v1(310,1034.11) ; J1.g17@288.38,1184.1 v1(310,1184.11) ; J1.g20@288.38,1334.1 v1(310,1334.11) ; J1.g23@288.38,1484.1 v1(310,1484.11) ; J1.g26@288.38,1634.1 v1(310,1634.11) ; J1.g29@288.38,1784.1 v1(310,1784.11) ; J1.g32@288.38,1934.1 v1(310,1934.11) ; J1.g35@288.38,2084.1 v1(310,2084.11) ; J1.g38@288.38,2234.1 v1(310,2234.11) ; J1.g40@288.38,2334.1 v1(310,2334.11) ; v1(363.38,1973.09) v1@363.38,1976.62 ; v1@413.38,1942.38 v1(413.38,1944.81) ; J1.d22@438,1434.11 v1(459.62,1434.11) ; J1.d2@438.38,434.1 v1(462,410.49) J1.c1@488.38,384.1 ; J1.d3@438.38,484.1 v1(462.58,508.31) J1.c4@488.38,534.1 ; J1.d6@438.38,634.1 v1(462.74,609.74) J1.c5@488.38,584.1 ; J1.d7@438.38,684.1 v1(461.9,684.1) ; J1.d10@438.38,834.1 v1(460,834.11) ; J1.d13@438.38,984.1 v1(460,984.11) ; J1.d16@438.38,1134.1 v1(460,1134.11) ; J1.d19@438.38,1284.1 v1(460,1284.11) ; J1.d25@438.38,1584.1 v1(460,1584.11) ; J1.d28@438.38,1734.1 v1(460,1734.11) ; J1.d37@438.38,2184.1 v1(460,2184.11) ; J1.d39@438.38,2284.1 v1(460,2284.11) ; J1.c20@488,1334.11 v1(509.62,1334.11) ; J1.c21@488,1384.11 v1(509.62,1384.11) ; J1.c8@488.38,734.1 v1(510,734.11) ; J1.c9@488.38,784.1 v1(510,784.11) ; J1.c12@488.38,934.1 v1(510,934.11) ; J1.c13@488.38,984.1 v1(510,984.11) ; J1.c16@488.38,1134.1 v1(510,1134.11) ; J1.c17@488.38,1184.1 v1(510,1184.11) ; J1.c24@488.38,1534.1 v1(510,1534.11) ; J1.c25@488.38,1584.1 v1(510,1584.11) ; J1.c28@488.38,1734.1 v1(510,1734.11) ; J1.c29@488.38,1784.1 v1(509.74,1784.11) ; J1.c32@488.38,1934.1 v1(510,1934.11) ; J1.c33@488.38,1984.1 v1(510,1984.11) ; J1.c36@488.38,2134.1 v1(510,2134.11) ; J1.c38@488.38,2234.1 v1(510,2234.11) ; J1.c40@488.38,2334.1 v1(510,2334.11) ; v1@563,2044.43 v1(563.38,2044.81)
  Bottom Layer w5.3: v1@563.38,2244.48 v1(563.38,2244.81)
  other v1: 309.62,383 163.38,409.11 166.79,605 362,609 358.87,1214
HA00_CC_N: J2.L35 J6.f5 | length 3392.3
  Top Layer w5: J6.f5@338.38,584.11 353.48,584.11 373.48,564.11 623.03,564.11 689.14,498 2324.07,498 2409.07,583 2411.9,583 2412.9,584 2413.79,584 2682,852.21 2682,1198 2664,1216 2664,1263 v1(2684,1283)
  Bottom Layer w5: J2.L35@2292.52,1311.24 2322.76,1281 2603,1281 2621,1263 2662,1263 2682,1283 v1(2684,1283)